# Altium PCB PCB2.PcbDoc (part 1 of 2) (continued)
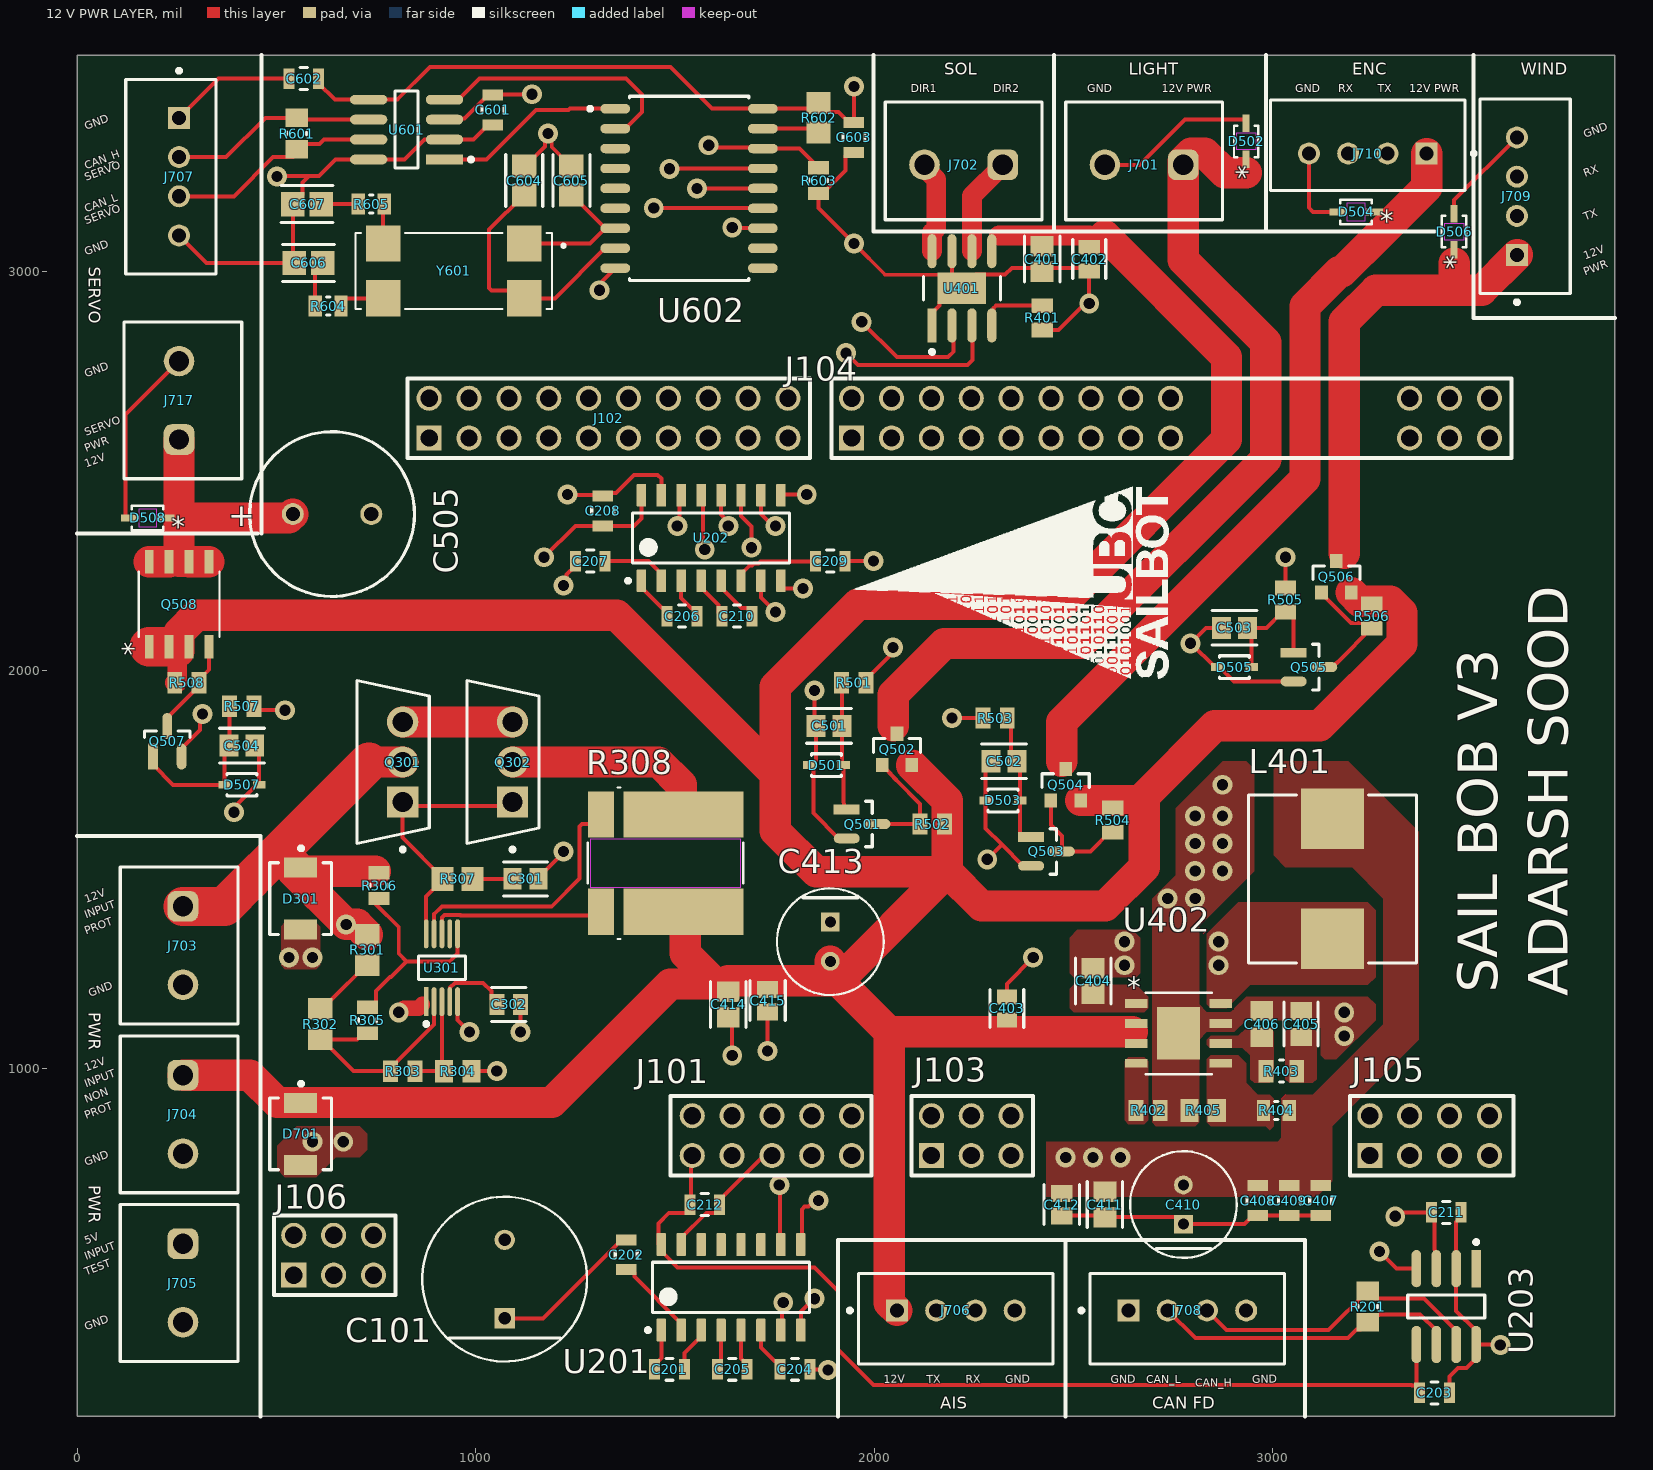
[diagram p0: 12 V PWR LAYER view]
## Classes and differential pairs
net class Power: 12VIN NetC101_2 NetC505_1 NetD301_1 NetD502_1 NetD504_1 NetD506_1 NetJ702_1 NetJ702_2 NetQ301_3 NetQ302_2
component class Switching_Circuits: C501 C502 C503 C504 C505 D501 D502 D503 D504 D505 D506 D507 D508 Q501 Q502 Q503 Q504 Q505 Q506 Q507 Q508 R501 R502 R503 R504 R505 R506 R507 R508
component class SERVO_CAN: C601 C602 C603 C604 C605 C606 C607 R601 R602 R603 R604 R605 U601 U602 Y601
component class Protection_Circuit: C301 C302 D301 Q301 Q302 R301 R302 R303 R304 R305 R306 R307 R308 U301
component class Power_Management: C401 C402 C403 C404 C405 C406 C407 C408 C409 C410 C411 C412 C413 C414 C415 L401 R401 R402 R403 R404 R405 U401 U402
component class Nucleo_connections: C101 J101 J102 J103 J104 J105 J106
component class General_Tranceivers: C201 C202 C203 C204 C205 C206 C207 C208 C209 C210 C211 C212 R201 U201 U202 U203
component class Data_PWR_Connectors: D701 J701 J702 J703 J704 J705 J706 J707 J708 J709 J710 J717

## Components (designator, comment, footprint, x,y, rotation, side; value= is the part's Value field where it differs from the comment)
C101 "10 uF" FP-RAD-TH-D_10_0_5-L_20_2-MFG 1072.84,472.44 r90 top
C201 "0.1uF" FP-GCM21B-0_15-MFG 1486.22,246.06 r0 top
C202 "0.1uF" FP-GCM21B-0_15-MFG 1377.95,533.46 r90 top
C203 "0.1uF" FP-GCM21B-0_15-MFG 3405.51,187.01 r0 top
C204 "0.1uF" FP-GCM21B-0_15-MFG 1801.18,246.06 r0 top
C205 "0.1uF" FP-GCM21B-0_15-MFG 1643.7,246.06 r0 top
C206 "0.1uF" FP-GCM21B-0_15-MFG 1517.72,2135.83 r0 top
C207 "0.1uF" FP-GCM21B-0_15-MFG 1287.4,2273.62 r180 top
C208 "0.1uF" FP-GCM21B-0_15-MFG 1318.9,2399.61 r90 top
C209 "0.1uF" FP-GCM21B-0_15-MFG 1889.76,2273.62 r0 top
C210 "0.1uF" FP-GCM21B-0_15-MFG 1655.51,2135.83 r0 top
C211 "0.1uF" FP-GCM21B-0_15-MFG 3435.04,639.76 r0 top
C212 "0.1uF" FP-GCM21B-0_15-MFG 1574.8,659.45 r0 top
C301 "3.3nF" FP-GRM216-0_1-IPC_B 1125.09,1476.38 r180 top
C302 "0.22uF" FP-C0805C-DN-MFG 1082.68,1161.42 r0 top value="0.22 μF"
C401 "0.1uF" FP-0805-L_2_01_0_2-W_1_25-IPC_B 2421.26,3031.5 r270 top
C402 "47uF" FP-C0805C476M9PACTU-MFG 2539.37,3031.5 r90 top
C403 "10 uF" FP-GRM21B-0_1-IPC_C 2332.68,1151.57 r90 top
C404 "0.1uF" FP-0805-L_2_01_0_2-W_1_25-IPC_B 2549.21,1220.47 r90 top
C405 "3.3 nF" FP-GRM216-0_1-IPC_B 3070.87,1112.2 r90 top
C406 "47 pF" CAPC2013X135X50NL15T20 2972.44,1112.2 r270 top
C407 "22 uF" FP-GRM21B-0_15-MFG 3120.08,669.29 r270 top
C408 "22 uF" FP-GRM21B-0_15-MFG 2962.6,669.29 r270 top
C409 "22 uF" FP-GRM21B-0_15-MFG 3041.34,669.29 r270 top
C410 "100 uF" FP-RAD-TH-D_6_3_0_5-L_11-MFG 2775.59,659.45 r90 top
C411 "0.1uF" FP-0805-L_2_01_0_2-W_1_25-IPC_B 2578.74,659.45 r90 top
C412 "1 nF" FP-0805-L_2_01_0_2-W_1_25-IPC_C 2470.47,659.45 r90 top
C413 "100 uF" FP-RAD-TH-D_6_3_0_5-L_11-MFG 1889.76,1318.9 r270 top
C414 "0.1uF" FP-0805-L_2_01_0_2-W_1_25-IPC_B 1633.86,1161.42 r90 top
C415 "1 nF" FP-0805-L_2_01_0_2-W_1_25-IPC_C 1732.28,1171.26 r90 top
C501 "0.47uF" FP-GRM21B-0_15-IPC_B 1886.76,1860.24 r180 top
C502 "0.47uF" FP-GRM21B-0_15-IPC_B 2325.84,1771.65 r180 top
C503 "0.47uF" FP-GRM21B-0_15-IPC_B 2903.54,2106.3 r180 top
C504 "0.47uF" FP-GRM21B-0_15-IPC_B 413.39,1811.02 r0 top
C505 "470 uF" PNSC-CAP-10x20-P2 639.76,2391.73 r0 top
C601 "0.1uF" FP-GCM21B-0_15-MFG 1043.31,3405.51 r270 top
C602 "0.1uF" FP-GCM21B-0_15-MFG 568.9,3484.25 r180 top
C603 "0.1uF" FP-GCM21B-0_15-MFG 1948.82,3336.61 r270 top
C604 "27 pF" FP-0805-L_2_01_0_2-W_1_25-IPC_A 1122.05,3228.35 r90 top
C605 "27 pF" FP-0805-L_2_01_0_2-W_1_25-IPC_A 1240.16,3228.35 r90 top
C606 "27 pF" FP-0805-L_2_01_0_2-W_1_25-IPC_A 580.71,3021.65 r180 top
C607 "27 pF" FP-0805-L_2_01_0_2-W_1_25-IPC_A 577,3169.29 r180 top
D301 "SMBJ15A" FP-SMBJ-MFG 561.02,1427.17 r270 top
D501 "CDSOD323-T05SC" FP-SOD-323-CA-MFG 1879.92,1761.81 r180 top
D502 "CUS10S30,H3FT" USC_TOS 2933.07,3326.77 r90 top
D503 "CDSOD323-T05SC" FP-SOD-323-CA-MFG 2322.83,1673.23 r180 top
D504 "CUS10S30,H3FT" USC_TOS 3208.66,3149.61 r180 top
D505 "CDSOD323-T05SC" FP-SOD-323-CA-MFG 2903.54,2007.87 r180 top
D506 "CUS10S30,H3FT" USC_TOS 3454.72,3100.39 r90 top
D507 "CDSOD323-T05SC" FP-SOD-323-CA-MFG 413.39,1712.6 r0 top
D508 "CUS10S30,H3FT" USC_TOS 177.17,2381.89 r180 top
D701 "SMBJ15A" FP-SMBJ-MFG 561.02,836.61 r270 top
J101 "CN8 CONN HDR 16POS" CN8_8X2_PADS 1243.31,782.28 r90 top locked
J102 "CN7 CONN HDR 20POS" CN7_10X2_PADS 883.46,2582.28 r90 top locked
J103 "CN9_1" 5V_EXT 2143.31,782.28 r90 top locked
J104 "CN10 CONN HDR 34POS" CN10_17X2_PADS 1943.31,2582.28 r90 top locked
J105 "CN9_2" 4x2 3243.31,782.28 r90 top locked
J106 "5V_EXT" 5V_EXT 543.7,482.28 r90 top locked
J701 "691137710002" 691137710002 2677.17,3277.56 r180 top
J702 "691137710002" 691137710002 2224.41,3277.56 r180 top
J703 "691137710002" 691137710002 255.91,1309.06 r270 top
J704 "691137710002" 691137710002 255.91,885.83 r270 top
J705 "691137710002" 691137710002 255.91,462.6 r270 top
J706 "B4B-XH-A(LF)(SN)" FP-B4B-XH-A_LF_SN-MFG 2204.72,373.03 r180 top
J707 "B4B-XH-A(LF)(SN)" FP-B4B-XH-A_LF_SN-MFG 235.24,3238.19 r90 top
J708 "B4B-XH-A(LF)(SN)" FP-B4B-XH-A_LF_SN-MFG 2785.43,373.03 r180 top
J709 "B4B-XH-A(LF)(SN)" FP-B4B-XH-A_LF_SN-MFG 3632.87,3188.98 r270 top
J710 "B4B-XH-A(LF)(SN)" FP-B4B-XH-A_LF_SN-MFG 3238.19,3316.93 r0 top
J717 "691137710002" 691137710002 265.75,2677.17 r90 top
L401 "5.5 uH" WE-HCI_1050 3149.61,1476.38 r180 top
Q301 "STP75NF75" FP-TO-220-POA0015988-MFG 793.01,1769.69 r180 top
Q302 "STP75NF75" FP-TO-220-POA0015988-MFG 1068.6,1769.68 r180 top
Q501 "MMBT3904-7-F" FP-SOT23-IPC_A 1969.42,1614.17 r0 top
Q502 "DMG2301L-7" FP-SOT23-MFG 2057.09,1801.18 r90 top
Q503 "MMBT3904-7-F" FP-SOT23-IPC_A 2432.02,1545.28 r0 top
Q504 "DMG2301L-7" FP-SOT23-MFG 2480.31,1712.6 r90 top
Q505 "MMBT3904-7-F" FP-SOT23-IPC_A 3090.55,2007.87 r0 top
Q506 "DMG2301L-7" FP-SOT23-MFG 3159.45,2234.25 r90 top
Q507 "MMBT3904-7-F" FP-SOT23-IPC_A 226.38,1821.78 r90 top
Q508 "TPC8125" SOP-8_TOS 255.91,2165.35 r90 top
R201 "120" RESC2013X60X35ML10T20 3238.19,403.54 r270 top
R301 "2.2M" RESC2013X70X40ML20T20 728.35,1298.23 r90 top
R302 "2.2M" RESC2013X70X40ML20T20 610.24,1112.2 r90 top
R303 "137k" RESC2013X70X40LL20T20 816.93,994.09 r180 top
R304 "162k" RESC2013X70X40NL20T20 954.72,994.09 r180 top
R305 "0 ohm" RESC2013X50X30LL20T20 728.35,1122.05 r270 top
R306 "0 ohm" RESC2013X50X30LL20T20 757.87,1459.65 r90 top
R307 "22k" RESC2013X60X40ML20T25 954.72,1476.38 r180 top
R308 "WSL36373L600FEA" WSL3637_VIS 1476.38,1515.75 r90 top
R401 "31.6k" RESC2013X70X40LL20T20 2421.26,2883.86 r90 top
R402 "200k" RESC2013X70X40LL20T20 2687.01,895.67 r180 top
R403 "14k" FP-CRCW0805-e3-MFG 3021.65,994.09 r0 top
R404 "115k" RESC2013X50X30LL20T20 3008.86,895.67 r0 top
R405 "22.1k" RESC2013X70X40NL20T20 2824.8,895.67 r0 top
R501 "200k" RESC2013X70X40LL20T20 1948.82,1968.5 r180 top
R502 "200k" RESC2013X70X40LL20T20 2145.67,1614.17 r0 top
R503 "200k" RESC2013X70X40LL20T20 2303.15,1879.92 r0 top
R504 "200k" RESC2013X70X40LL20T20 2598.43,1624.02 r90 top
R505 "200k" RESC2013X70X40LL20T20 3031.5,2176.18 r270 top
R506 "200k" RESC2013X70X40LL20T20 3248.03,2135.83 r90 top
R507 "200k" RESC2013X70X40LL20T20 413.39,1909.45 r180 top
R508 "200k" RESC2013X70X40LL20T20 275.59,1968.5 r180 top
R601 "120" RESC2013X60X35ML10T20 551.18,3346.46 r90 top
R602 "4.7k" RESC2013X60X40ML20T25 1860.24,3385.83 r270 top
R603 "0 ohm" RESC2013X50X30LL20T20 1860.24,3228.35 r90 top
R604 "0 ohm" RESC2013X50X30LL20T20 629.92,2913.39 r0 top
R605 "0 ohm" RESC2013X50X30LL20T20 738.19,3169.29 r0 top
U201 "MAX3232EIDR" D0016A_N 1640.75,451.77 r90 top
U202 "MAX3232EIDR" D0016A_N 1590.75,2331.69 r90 top
U203 "MCP2562FDT-H/SN" FP-C04-057-SN-IPC_A 3435.04,403.54 r270 top
U301 "LTC4368IMS-2#PBF" FP-MS-10-05-08-1661-IPC_A 915.35,1253.55 r90 top
U401 "DRV8871DDAR?Q1" FP-DDA0008E-IPC_B 2219.88,2958.03 r90 top
U402 "AP64350SP-13" SO-8EP_DIO 2763.48,1088.78 r0 top
U601 "MCP2562FDT-H/SN" FP-C04-057-SN-IPC_A 826.77,3356.3 r180 top
U602 "MCP2515-I/SO" FP-C04-051-MFG 1535.43,3208.66 r0 top
Y601 "ECS-160-18-28AX-TR" XTAL_ECS-160-20-28AX-TR 944.88,3001.97 r180 top

## Footprints (in the part's own frame and the unit in brackets; to place one, negate y for a bottom-side part, rotate by r counter-clockwise, add the part's x,y. Pads: shape width x height; smd on the part's side, far side on the other; paste and mask are expansions set on the pad)
4x2 [mm]
  rect 1.6x1.6 hole 1.1: 1(0,0)
  round 1.6 hole 1.1: 2(2.54,0) 3(0,-2.54) 4(2.54,-2.54) 5(0,-5.08) 6(2.54,-5.08) 7(0,-7.62) 8(2.54,-7.62)
  silkscreen extent -1.27,-9.14 3.81,1.27
5V_EXT [mm]
  rect 1.6x1.6 hole 1.1: 1(0,0)
  round 1.6 hole 1.1: 2(2.54,0) 3(0,-2.54) 4(2.54,-2.54) 5(0,-5.08) 6(2.54,-5.08)
  silkscreen extent -1.27,-6.48 3.81,1.27
691137710002 [mm] "Horizontal Cable Entry with Pressure Clamp, pitch 5mm, 02p"
  rrect50% 1.95x1.95 hole 1.3: 1(-2.5,0.25)
  round 1.95 hole 1.3: 2(2.5,0.25)
  silkscreen extent -5,-3.75 5,3.75, body extent -5,-3.75 5,3.75, height 11.6
CAPC2013X135X50NL15T20 [mm] "Chip Capacitor, 2-Leads, Body 2.00x1.25mm, IPC Medium Density"
  rect 1.25x1.45 smd: 1(-0.85,0) 2(0.85,0)
  body extent -1.08,-0.7 1.07,0.7, height 1.35
CN7_10X2_PADS [mm]
  rect 1.6x1.6 hole 1.1: 1(0,0)
  round 1.6 hole 1.1: 2(2.54,0) 3(0,-2.54) 4(2.54,-2.54) 5(0,-5.08) 6(2.54,-5.08) 7(0,-7.62) 8(2.54,-7.62) 9(0,-10.16) 10(2.54,-10.16) 11(0,-12.7) 12(2.54,-12.7) 13(0,-15.24) 14(2.54,-15.24) 15(0,-17.78) 16(2.54,-17.78) 17(0,-20.32) 18(2.54,-20.32) 19(0,-22.86) 20(2.54,-22.86)
  silkscreen extent -1.27,-24.26 3.81,1.4
CN8_8X2_PADS [mm]
  round 1.6 hole 1.1: 7(0,-7.62) 8(2.54,-7.62) 9(0,-10.16) 10(2.54,-10.16) 11(0,-12.7) 12(2.54,-12.7) 13(0,-15.24) 14(2.54,-15.24) 15(0,-17.78) 16(2.54,-17.78)
  silkscreen extent -1.27,-19.05 3.81,-6.22
CN10_17X2_PADS [mm]
  rect 1.6x1.6 hole 1.1: 1(0,0)
  round 1.6 hole 1.1: 2(2.54,0) 3(0,-2.54) 4(2.54,-2.54) 5(0,-5.08) 6(2.54,-5.08) 7(0,-7.62) 8(2.54,-7.62) 9(0,-10.16) 10(2.54,-10.16) 11(0,-12.7) 12(2.54,-12.7) 13(0,-15.24) 14(2.54,-15.24) 15(0,-17.78) 16(2.54,-17.78) 17(0,-20.32) 18(2.54,-20.32) 29(0,-35.56) 30(2.54,-35.56) 31(0,-38.1) 32(2.54,-38.1) 33(0,-40.64) 34(2.54,-40.64)
  silkscreen extent -1.27,-42.04 3.81,1.27
D0016A_N [mm] "SOIC, 16-Leads, Body 10x4mm, Pitch 1.27mm, IPC Medium Density"
  rrect17% 1.45x0.6 smd: 1(-2.725,4.445) 2(-2.725,3.175) 3(-2.725,1.905) 4(-2.725,0.635) 5(-2.725,-0.635) 6(-2.725,-1.905) 7(-2.725,-3.175) 8(-2.725,-4.445) 9(2.725,-4.445) 10(2.725,-3.175) 11(2.725,-1.905) 12(2.725,-0.635) 13(2.725,0.635) 14(2.725,1.905) 15(2.725,3.175) 16(2.725,4.445)
  silkscreen extent -2.85,-5 1.6,5.42, body extent -3,-4.95 3,4.95, height 1.59
FP-0805-L_2_01_0_2-W_1_25-IPC_A [mil]
  rect 59.24x61.27 smd paste+0 mask+0: 1(-35.66,0) 2(35.66,0)
  silkscreen extent -65,-46 65,46, body extent -85,-50 85,50, height 10
FP-0805-L_2_01_0_2-W_1_25-IPC_B [mil]
  rect 51.36x57.33 smd paste+0 mask+0: 1(-31.72,0) 2(31.72,0)
  silkscreen extent -57,-44 57,44, body extent -67,-39 67,39, height 10
FP-0805-L_2_01_0_2-W_1_25-IPC_C [mil]
  rect 43.49x53.39 smd paste+0 mask+0: 1(-27.79,0) 2(27.79,0)
  silkscreen extent -50,-44 50,44, body extent -53,-32 53,32, height 10
FP-B4B-XH-A_LF_SN-MFG [mm]
  rect 1.4x1.4 hole 0.9 paste-2539.97 mask+0: 1(3.75,-0.525)
  round 1.4 hole 0.9 paste-2539.97 mask+0: 2(1.25,-0.525) 3(-1.25,-0.525) 4(-3.75,-0.525)
  silkscreen extent -6.2,-2.87 6.87,2.88, body extent -6.3,-2.98 6.3,2.98, height 0.25
FP-C04-051-MFG [mm]
  rrect100% 1.9x0.6 smd paste+0 mask+0: 1(-4.7,5.08) 2(-4.7,3.81) 3(-4.7,2.54) 4(-4.7,1.27) 5(-4.7,0) 6(-4.7,-1.27) 7(-4.7,-2.54) 8(-4.7,-3.81) 9(-4.7,-5.08) 10(4.7,-5.08) 11(4.7,-3.81) 12(4.7,-2.54) 13(4.7,-1.27) 14(4.7,0) 15(4.7,1.27) 16(4.7,2.54) 17(4.7,3.81) 18(4.7,5.08)
  silkscreen extent -6.42,-5.87 3.8,5.87, body extent -5.75,-6.12 5.75,6.12, height 0.25
FP-C04-057-SN-IPC_A [mil]
  rect 93.59x24.49 smd paste+0 mask+0: 1(-95.18,75)
  rrect100% 93.59x24.49 smd paste+0 mask+0: 2(-95.18,25) 3(-95.18,-25) 4(-95.18,-75) 5(95.18,-75) 6(95.18,-25) 7(95.18,25) 8(95.18,75)
  silkscreen extent -167,-96 29,96, body extent -162,-116 162,116, height 10
FP-C0805C476M9PACTU-MFG [mm]
  rect 0.95x1.35 smd paste+0 mask+0: 1(-0.75,0) 2(0.75,0)
  silkscreen extent -1.25,-1.05 1.25,1.05, body extent -1.4,-0.85 1.4,0.85, height 0.25
FP-C0805C-DN-MFG [mm]
  rect 0.95x1.35 smd paste+0 mask+0: 1(-0.75,0) 2(0.75,0)
  silkscreen extent -1.1,-1.08 1.1,1.07, body extent -1.4,-0.85 1.4,0.85, height 0.25
FP-CRCW0805-e3-MFG [mm]
  rect 0.95x1.45 smd paste+0 mask+0: 1(-0.975,0) 2(0.975,0)
  silkscreen extent -0.12,-0.7 0.13,0.7, body extent -1.55,-0.82 1.55,0.82, height 0.25
FP-DDA0008E-IPC_B [mm]
  rect 2.174x0.582 smd paste+0 mask+0: 1(-2.366,1.905)
  rrect100% 2.174x0.582 smd paste+0 mask+0: 2(-2.366,0.635) 3(-2.366,-0.635) 4(-2.366,-1.905) 5(2.366,-1.905) 6(2.366,-0.635) 7(2.366,0.635) 8(2.366,1.905)
  rect 2.025x3.1 smd paste-1000 mask+0: 9(0,0)
  silkscreen extent -4.17,-2.45 0.75,2.45, body extent -3.7,-2.7 3.7,2.7, height 0.25
FP-GCM21B-0_15-MFG [mm]
  rect 0.7x1.3 smd paste+0 mask+0: 1(-0.95,0) 2(0.95,0)
  silkscreen extent -0.23,-0.7 0.22,0.7, body extent -1.4,-0.8 1.4,0.8, height 0.25
FP-GRM21B-0_1-IPC_C [mil]
  rect 37.71x49.69 smd paste+0 mask+0: 1(-28.63,0) 2(28.63,0)
  silkscreen extent -47,-42 47,42, body extent -51,-31 51,31, height 10
FP-GRM21B-0_15-IPC_B [mil]
  rect 47.47x55.44 smd paste+0 mask+0: 1(-32.53,0) 2(32.53,0)
  silkscreen extent -56,-43 56,43, body extent -66,-38 66,38, height 10
FP-GRM21B-0_15-MFG [mm]
  rect 0.7x1.3 smd paste+0 mask+0: 1(-0.95,0) 2(0.95,0)
  silkscreen extent -0.22,-0.7 0.22,0.7, body extent -1.4,-0.8 1.4,0.8, height 0.25
FP-GRM216-0_1-IPC_B [mil]
  rect 45.58x53.57 smd paste+0 mask+0: 1(-32.57,0) 2(32.57,0)
  silkscreen extent -55,-43 55,43, body extent -65,-37 65,37, height 10
FP-MS-10-05-08-1661-IPC_A [mm]
  rect 1.84x0.312 smd paste+0 mask+0: 1(-2.16,1)
  rrect100% 1.84x0.312 smd paste+0 mask+0: 2(-2.16,0.5) 3(-2.16,0) 4(-2.16,-0.5) 5(-2.16,-1) 6(2.16,-1) 7(2.16,-0.5) 8(2.16,0) 9(2.16,0.5) 10(2.16,1)
  silkscreen extent -3.7,-1.5 0.74,1.5, body extent -3.58,-2 3.58,2, height 0.25
FP-RAD-TH-D_6_3_0_5-L_11-MFG [mm]
  rect 1.2x1.2 hole 0.7 paste-2539.97 mask+0: 1(-1.25,0)
  round 1.2 hole 0.7 paste-2539.97 mask+0: 2(1.25,0)
  silkscreen extent -3.4,-3.4 3.4,3.4, body extent -3.5,-3.5 3.5,3.5, height 0.25
FP-RAD-TH-D_10_0_5-L_20_2-MFG [mm]
  rect 1.3x1.3 hole 0.8 paste-2539.97 mask+0: 1(-2.5,0)
  round 1.3 hole 0.8 paste-2539.97 mask+0: 2(2.5,0)
  silkscreen extent -5.25,-5.25 5.25,5.25, body extent -5.35,-5.35 5.35,5.35, height 0.25
FP-SMBJ-MFG [mm]
  rect 1.27x2.1 smd paste+0 mask+0: 1(-1.98,0) 2(1.98,0)
  silkscreen extent -3.32,-1.97 2.28,1.97, body extent -2.72,-2.07 2.72,2.07, height 0.25
FP-SOD-323-CA-MFG [mm]
  rect 0.8x0.5 smd paste+0 mask+0: 1(-1.1,0) 2(1.1,0)
  silkscreen extent -0.95,-0.73 0.95,0.72, body extent -1.6,-0.82 1.6,0.82, height 0.25
FP-SOT23-IPC_A [mm]
  rect 1.659x0.627 smd paste+0 mask+0: 1(-0.977,0.915)
  rrect100% 1.659x0.627 smd paste+0 mask+0: 2(-0.977,-0.915) 3(0.977,0)
  silkscreen extent 0.23,-1.45 0.65,1.45, body extent -2.31,-1.95 2.31,1.95, height 0.25
FP-SOT23-MFG [mm]
  rect 0.9x0.8 smd paste+0 mask+0: 1(-1,0.95) 2(-1,-0.95) 3(1,0)
  silkscreen extent -0.18,-1.5 0.7,1.5, body extent -1.55,-1.6 1.55,1.6, height 0.25
FP-TO-220-POA0015988-MFG [mm]
  rect 2x2 hole 1.3 paste-2539.97 mask+0: 1(-0.608,2.55)
  round 2 hole 1.3 paste-2539.97 mask+0: 2(-0.608,0) 3(-0.608,-2.55)
  silkscreen extent -2.3,-5.2 2.3,5.7, body extent -2.4,-5.3 2.4,5.3, height 0.25
PNSC-CAP-10x20-P2 [mm] "THD, 2-Leads, Dia 10.5mm, Body Length 22mm, Pin Spacing 5mm"
  round 1.4 hole 0.9: 1(-2.5,0) 2(2.5,0)
  silkscreen extent -5.25,-5.25 5.25,5.25, body extent -5.25,-5.25 5.25,5.25, height 22
RESC2013X50X30LL20T20 [mm] "Chip Resistor, 2-Leads, Body 2.00x1.25mm, IPC High Density"
  rect 0.85x1.35 smd: 1(-0.825,0) 2(0.825,0)
  silkscreen extent -0.1,-0.57 0.1,0.57, body extent -1.1,-0.72 1.1,0.72, height 0.5
RESC2013X60X35ML10T20 [mm] "Chip Resistor, 2-Leads, Body 2.1x1.35mm, IPC Low Density"
  rect 1.2x1.45 smd: 1(-1,0) 2(1,0)
  silkscreen extent -0.1,-0.63 0.1,0.63, body extent -1.05,-0.68 1.05,0.67, height 0.6
RESC2013X60X40ML20T25 [mm] "Chip Resistor, 2-Leads, Body 2.00x1.25mm, IPC Low Density"
  rect 1.4x1.55 smd: 1(-0.95,0) 2(0.95,0)
  body extent -1.1,-0.72 1.1,0.72, height 0.6
RESC2013X70X40LL20T20 [mm] "Chip Resistor, 2-Leads, Body 2.00x1.25mm, IPC High Density"
  rect 0.95x1.35 smd: 1(-0.775,0) 2(0.775,0)
  body extent -1.1,-0.72 1.1,0.72, height 0.7
RESC2013X70X40ML20T20 [mm] "Chip Resistor, 2-Leads, Body 2.00x1.25mm, IPC Low Density"
  rect 1.35x1.55 smd: 1(-0.975,0) 2(0.975,0)
  body extent -1.1,-0.72 1.1,0.72, height 0.7
RESC2013X70X40NL20T20 [mm] "Chip Resistor, 2-Leads, Body 2.00x1.25mm, IPC Medium Density"
  rect 1.15x1.45 smd: 1(-0.875,0) 2(0.875,0)
  body extent -1.1,-0.72 1.1,0.72, height 0.7
SO-8EP_DIO [mil]
  rect 56x22 smd paste+0 mask+0: 1(-106,75) 2(-106,25) 3(-106,-25) 4(-106,-75) 5(106,-75) 6(106,-25) 7(106,25) 8(106,75)
  rect 107x132 smd paste-65.5 mask+0: EPAD(0,0)
  silkscreen extent -83,-102 83,103, body extent -120,-97 120,97, height 64
SOP-8_TOS [mil]
  rect 59x22 smd paste+0 mask+0: 1(-106.5,75) 2(-106.5,25) 3(-106.5,-25) 4(-106.5,-75) 5(106.5,-75) 6(106.5,-25) 7(106.5,25) 8(106.5,75)
  silkscreen extent -82,-102 82,101, body extent -118,-96 118,96, height 66
USC_TOS [mm]
  rect 1.111x0.451 smd paste+0 mask+0: 1(-1.15,0) 2(1.15,0)
  Keep-Out Layer region: -0.544,-0.599 -0.544,0.599 0.544,0.599 0.544,-0.599
  silkscreen extent -1,-0.78 1,0.78, body extent -1.35,-0.65 1.35,0.65, height 1.1
WE-HCI_1050 [mm] "SMT Flat Wire High Current Inductor, body 10.2x10.2mm"
  rect 4x3.85 smd: 1(0,3.825) 2(0,-3.825)
  silkscreen extent -5.35,-5.35 5.35,5.35, body extent -5.1,-5.5 5.1,5.5, height 5
WSL3637_VIS [mil]
  rect 116x300 smd paste+0 mask+0: 1(-122,-45) 4(122,-45)
  rect 116x66 smd paste+0 mask+0: 2(-122,162) 3(122,162)
  12 V PWR LAYER keep-out region: -62,-188 -62,188 62,188 62,-188
  silkscreen extent -190,-195 190,195, body extent -180,-180 180,190, height 25
XTAL_ECS-160-20-28AX-TR [mm]
  rect 2.2x2.3 smd: 1(-4.5,-1.75) 2(4.5,-1.75) 3(4.5,1.75) 4(-4.5,1.75)
  silkscreen extent -7.1,-2.42 6.25,2.42

## Part data
C101: library part CMP-05427-000989-1, "Aluminum Electrolytic Capacitors (Radial Lead Type) 10uF ±20% 350V", Capacitance=10uF, Case/Package=Radial, Max Operating Temperature=85°C, Min Operating Temperature=-25°C, Package Quantity=200, Ripple Current=115mA, Tolerance=20%, Voltage Rating=350V, Construction=RADIAL, Diameter=10mm, Dissipation Factor=0.2%, Height=20mm, Height - Seated (Max)=0.866inch, Lead Diameter=0.6mm, Lead Pitch=5mm, Lead/Base Style=Straight, Length=20mm, Life (Hours)=2000Hour, Mount="Through Hole", Packaging=Bulk, Radiation Hardening=No, REACH SVHC="No SVHC", Ripple Current (AC)=115mA, RoHS Compliant=Yes, Series=M, Termination=Radial, Voltage Rating (DC)=350V
C201 C202 C203 C204 C205 C206 C207 C208 C209 C210 C211 C212 C601 C602 C603: library part CMP-2007-03364-2, "Ceramic Capacitor for Automotive 100nF ±10% 100VDC X7R 0805 Embossed T/R", Capacitance=100nF, Case Code (Imperial)=0805, Case Code (Metric)=2012, Dielectric=X7R, Max Operating Temperature=125°C, Min Operating Temperature=-55°C, Package Quantity=1, Ratings=AEC-Q200, Tolerance=10%, Voltage=100V, Case/Package=0805, Depth=1.25mm, Height=1.25mm, Lead Free="Lead Free", Length=2mm, Mount="Surface Mount", Packaging="Tape and Reel", Radiation Hardening=No, REACH SVHC="No SVHC", Termination=SMD/SMT, Thickness=0.055inch, Voltage Rating=100V, Voltage Rating (DC)=100V, Width=0.049inch
C301: library part CMP-2007-00889-2, "Chip Multilayer Ceramic Capacitors for General Purpose, 0805, 3300pF, C0G, 30ppm/°C, 5%, 50V", Case Code (Imperial)=0805, Case Code (Metric)=2012, Dielectric=C0G, Dielectric Material=Ceramic, Insulation Resistance=10GR, Max Operating Temperature=125°C, Min Operating Temperature=-55°C, Package Quantity=1, Temperature Coefficient=30ppm/°C, Tolerance=5%, Voltage=50V, Capacitance=3.3nF, Case/Package=0805, Construction=Flat, Depth=1.25mm, Height=0.6mm, Lead Free="Lead Free", Length=2mm, Material=Ceramic, Mount="Surface Mount", Number of Pins=2, Packaging="Tape and Reel", REACH SVHC="No SVHC", RoHS Compliant=Yes, Series=GRM, Size=0.6mm, Termination=SMD/SMT, Thickness=0.028inch, Voltage Rating=50V, Voltage Rating (DC)=50V, Width=0.049inch
C302: library part CMP-1036-04552-2, "CAP CER 0.22UF 50V X7R 0805", Capacitance="0.22 μF", Manufacturer=KEMET, Manufacturer Part Number=C0805C224K5RACTU, Package=C0805C-DN, Temperature="-55°C to +125°C", Temperature Characteristic=X7R, Temperature Coefficient=30ppm/°C, Temperature Range High=+125°C, Temperature Range Low=-55°C, Tolerance=0.1, Voltage Rating="50 V", Automotive=No, Category=Cap, ComponentLink2Description=Datasheet, ComponentLink2URL=https://content.kemet.com/datasheets/KEM_C1003_C0G_SMD.pdf, Device Class L1="Passive Components", Device Class L2=Capacitors, Device Class L3="Ceramic Capacitors", Digikey Description="CAP CER 0.22UF 50V X7R 0805", Height=0.88mm, Ipc Land Pattern Name=CAPC200125X78, Lead Free=Yes, Material=Ceramic, Mouser Description="CAP CER 0.22UF 50V X7R 0805", Octopart=https://octopart.com/c0805c224k5ractu-kemet-144670, RoHS=TRUE
C401 C404 C411 C414: library part CMP-2007-04172-2, "Automotive Ceramic Capacitor, 0805, 100nF, 10%, X7R, 15%, 100V", Capacitance=100nF, Case Code (Imperial)=0805, Case Code (Metric)=2012, Dielectric=X7R, Dielectric Material=Ceramic, Max Operating Temperature=125°C, Min Operating Temperature=-55°C, Package Quantity=1, Ratings=AEC-Q200, Tolerance=10%, Voltage=100V, Case/Package=0805, Construction=Flat, Depth=1.25mm, Height=1.4mm, Lead Free="Lead Free", Length=2.01mm, Mount="Surface Mount", Number of Pins=2, Packaging="Tape and Reel", Radiation Hardening=No, REACH SVHC="No SVHC", RoHS Compliant=Yes, Series=-, Termination=SMD/SMT, Thickness=0.055inch, Voltage Rating=100V, Voltage Rating (DC)=100V, Width=0.049inch
C402: library part CMP-2007-01008-2, "CAP CER 47UF 6.3V X5R 0805", Case Code (Imperial)=0805, Case Code (Metric)=2012, Dielectric=X5R, Dielectric Material=Ceramic, Max Operating Temperature=85°C, Min Operating Temperature=-55°C, Package Quantity=3000, Tolerance=20%, Voltage=6.3V, Capacitance=47uF, Case/Package=0805, Construction=Flat, Depth=1.25mm, Dissipation Factor=5%, Height=1.25mm, Length=2mm, Mount=PCB, Number of Pins=2, Packaging="Tape and Reel", Radiation Hardening=No, REACH SVHC="No SVHC", RoHS Compliant=Yes, Series=C0805C, Termination=SMD/SMT, Voltage Rating=6.3V, Voltage Rating (DC)=6.3V, Width=1.2mm
C403: library part CMP-2007-03453-2, "Chip Multilayer Ceramic Capacitors for General Purpose, 0805, 10uF, X5R, 15%, 10%, 16V", Capacitance=10uF, Case Code (Imperial)=0805, Case Code (Metric)=2012, Dielectric=X5R, Max Operating Temperature=85°C, Min Operating Temperature=-55°C, Package Quantity=1, Tolerance=10%, Voltage=16V, Case/Package=0805, Depth=1.25mm, Height=1.25mm, Lead Free="Lead Free", Length=2mm, Material=Ceramic, Mount="Surface Mount", Packaging="Tape and Reel", Radiation Hardening=No, REACH SVHC="No SVHC", Termination=SMD/SMT, Thickness=0.053inch, Voltage Rating=16V, Voltage Rating (DC)=16V, Width=1.25mm
C405: library part CMP-2007-00889-2, "Chip Multilayer Ceramic Capacitors for General Purpose, 0805, 3300pF, C0G, 30ppm/°C, 5%, 50V", Capacitance=3.3nF, Case Code (Imperial)=0805, Case Code (Metric)=2012, Dielectric=C0G, Dielectric Material=Ceramic, Insulation Resistance=10GR, Max Operating Temperature=125°C, Min Operating Temperature=-55°C, Package Quantity=1, Temperature Coefficient=30ppm/°C, Tolerance=5%, Voltage=50V, Case/Package=0805, Construction=Flat, Depth=1.25mm, Height=0.6mm, Lead Free="Lead Free", Length=2mm, Material=Ceramic, Mount="Surface Mount", Number of Pins=2, Packaging="Tape and Reel", REACH SVHC="No SVHC", RoHS Compliant=Yes, Series=GRM, Size=0.6mm, Termination=SMD/SMT, Thickness=0.028inch, Voltage Rating=50V, Voltage Rating (DC)=50V, Width=0.049inch
C406: library part CMP-1036-01617-2, Manufacturer=Vitramon, Part Number=VJ0805A470JXACW1BC
C407 C408 C409: library part CMP-2007-03385-2, "Chip Multilayer Ceramic Capacitors for General Purpose, 0805, 22uF, X5R, 15%, 20%, 6.3V", Capacitance=22uF, Case Code (Imperial)=0805, Case Code (Metric)=2012, Dielectric=X5R, Max Operating Temperature=85°C, Min Operating Temperature=-55°C, Package Quantity=1, Tolerance=20%, Voltage=6.3V, Case/Package=0805, Depth=1.25mm, Height=1.25mm, Lead Free="Lead Free", Length=2mm, Material=Ceramic, Mount="Surface Mount", Packaging="Tape and Reel", Radiation Hardening=No, REACH SVHC="No SVHC", Termination=SMD/SMT, Thickness=0.053inch, Voltage Rating=6.3V, Voltage Rating (DC)=6.3V, Width=0.049inch
C410 C413: library part CMP-05427-000897-1, "Aluminum Electrolytic Capacitors (Radial Lead Type) 100uF ±20% 25V", Capacitance=100uF, Case/Package=Radial, ESR (Equivalent Series Resistance)=130mR, Max Operating Temperature=105°C, Min Operating Temperature=-40°C, Package Quantity=2000, Ripple Current=455mA, Tolerance=20%, Voltage Rating=25V, Diameter=6.3mm, Features="General Purpose", Height=11.2mm, Height - Seated (Max)=0.441inch, Impedance=130mR, Lead Diameter=0.5mm, Lead Free="Lead Free", Lead Pitch=5mm, Length=11.2mm, Life (Hours)=2000Hour, Mount="Through Hole", Packaging="Tape and Reel", Polarity=Polar, Radiation Hardening=No, RoHS Compliant=Yes, Series=FR, Termination=Radial, Voltage Rating (DC)=25V
C412 C415: library part CMP-1036-02979-3, "General Purpose Ceramic Capacitor, 0805, 1nF, 10%, X7R, 0.15, 50V", Capacitance=1nF, Case Code (Imperial)=0805, Case Code (Metric)=2012, Dielectric=X7R, Dielectric Material=Ceramic, Insulation Resistance=100GR, Max Operating Temperature=125°C, Min Operating Temperature=-55°C, Package Quantity=1, Tolerance=10%, Voltage=50V, Case/Package=0805, Contact Plating=Tin, Depth=1.25mm, Dissipation Factor=2.5%, Height=0.94mm, Lead Free="Lead Free", Length=2.01mm, Mount="Surface Mount", Number of Pins=2, Packaging="Tape and Reel", Radiation Hardening=No, REACH SVHC="No SVHC", RoHS Compliant=Yes, Termination=SMD/SMT, Thickness=0.037inch, Voltage Rating=50V, Voltage Rating (DC)=50V, Width=1.25mm
C501 C502 C503 C504: library part CMP-2007-03605-2, "Chip Multilayer Ceramic Capacitors for General Purpose, 0805, 0.47uF, X7R, 15%, 10%, 100V", Capacitance=470nF, Case Code (Imperial)=0805, Case Code (Metric)=2012, Dielectric=X7R, Max Operating Temperature=125°C, Min Operating Temperature=-55°C, Package Quantity=1, Tolerance=10%, Voltage=100V, Case/Package=0805, Depth=1.25mm, Height=1.25mm, Lead Free="Lead Free", Length=2mm, Material=Ceramic, Mount="Surface Mount", Packaging="Tape and Reel", Radiation Hardening=No, REACH SVHC="No SVHC", Termination=SMD/SMT, Thickness=0.053inch, Voltage Rating=100V, Voltage Rating (DC)=100V, Width=1.25mm
C505: library part CMP-2000-05308-1, "Aluminum Electrolytic Capacitor, 470 uF, +/- 20%, 50 V, -55 to 105 degC, 2-Pin THD, RoHS, Bulk", Capacitance=470µF, Case Size/Dimension=Ø10x20mm, Lifetime@Temperature=2000Hrs@105degC, Manufacturer=Panasonic, Operating Temp Range=-55to+105degC, Operating Temp-Max=105degC, Package Description="2-Pin Through Hole Device, Dia 10 mm, Body Length 20 mm, Pin Spacing 5 mm", Package Reference=CAP-10x20-P2, Package Version=Nov-12, Rated Voltage=50V, Ripple Current=530mA, Datasheet URL=http://www.alliedelec.com/images/products/datasheets/bm/Panasonic/70067776.pdf, Datasheet Version=Nov-12, Manufacturer URL=http://www.panasonic.com/, Package URL=http://www.alliedelec.com/images/products/datasheets/bm/Panasonic/70067776.pdf, Series=NHG, Type=Radial
C604 C605 C606 C607: library part CMP-2007-04540-2, "General Purpose Ceramic Capacitor, 0805, 27pF, 5%, C0G, 30ppm/°C, 100V", Capacitance=27pF, Case Code (Imperial)=0805, Case Code (Metric)=2012, Dielectric=C0G, Dielectric Material=Ceramic, Insulation Resistance=100GR, Max Operating Temperature=125°C, Min Operating Temperature=-55°C, Package Quantity=4000, Temperature Coefficient=30ppm/°C, Tolerance=5%, Voltage=100V, Case/Package=0805, Contact Plating=Tin, Depth=1.25mm, Dissipation Factor=2.5%, Height=0.93mm, Lead Free="Lead Free", Length=2.01mm, Mount="Surface Mount", Number of Pins=2, Packaging="Tape and Reel", Radiation Hardening=No, REACH SVHC="No SVHC", RoHS Compliant=Yes, Termination=SMD/SMT, Thickness=0.037inch, Voltage Rating=100V, Voltage Rating (DC)=100V, Width=0.049inch
D301 D701: library part CMP-07401-000033-1, "TVS DIODE 15VWM 24.4VC SMB", Breakdown Voltage=19.2V, Case/Package=DO-214AA, Clamping Voltage=24.4V, Leakage Current=5uA, Max Operating Temperature=150°C, Max Power Dissipation=600W, Max Surge Current=100A, Min Breakdown Voltage=16.7V, Min Operating Temperature=-55°C, Operating Supply Voltage=3.5V, Package Quantity=1, Peak Pulse Current=24A, Power Line Protection=No, Resistor Type=Zener, Reverse Standoff Voltage=15V, Test Current=1mA, Diode Type=ZENER, Direction=Unidirectional, Element Configuration=Single, ESD Protection=Yes, Height=2.42mm, Length=4.57mm, Max Breakdown Voltage=19.2V, Max Reverse Leakage Current=5uA, Mount="Surface Mount", Number Of Channels=1, Number of Elements=1, Number of Pins=2, Number of Unidirectional Channels=1, Packaging="Tape and Reel", Peak Pulse Power=600W, Polarity=Unidirectional, Radiation Hardening=No, REACH SVHC="No SVHC", Reverse Breakdown Voltage=16.7V, RoHS Compliant=Yes, Series=SMBJ, Termination=SMD/SMT, Width=3.94mm
D501 D503 D505 D507: library part CMP-07401-000040-1, "TVS DIODE 5VWM 14.5VC SOD323", Breakdown Voltage=6V, Capacitance=350pF, Clamping Voltage=13.5V, Leakage Current=10uA, Max Operating Temperature=150°C, Max Power Dissipation=400W, Max Surge Current=28A, Min Operating Temperature=-55°C, Operating Supply Voltage=5V, Package Quantity=3000, Peak Pulse Power=500W, Power Line Protection=No, Resistor Type=Zener, Test Current=1mA, Contact Plating=Tin, Depth=1.45mm, Diode Type=ZENER, Direction=Bidirectional, Element Configuration=Single, Length=1.9mm, Max Breakdown Voltage=6V, Min Breakdown Voltage=6V, Mount="Surface Mount", Number of Bidirectional Channels=1, Number Of Channels=1, Number of Elements=1, Number of Pins=2, Packaging="Tape and Reel", Peak Pulse Current=28A, Polarity=Bidirectional, Radiation Hardening=No, REACH SVHC="No SVHC", Reverse Breakdown Voltage=6V, Reverse Standoff Voltage=5V, RoHS Compliant=Yes, Series=CDSOD323, Termination=SMD/SMT, Working Voltage=5V
D502 D504 D506 D508 Q508: "No Description Available", Mfr_Name="Toshiba Electronic Devices & Storage Corp."
  Q508: Digi-Key_Part_Number_1=TPC8125LQ(S-ND, RefDes=RefDes, Type=Type
J101: "CN8 CONN HDR 16POS 0.1 STACK"
J102: "CN7 CONN HDR 20 POS  0.1 STACK"
J103: library part 5V_EXT
J104: "CN10 CONN HDR 34 POS  0.1 STACK"
J105: library part 4x2
J701 J702 J703 J704 J705 J717: library part CMP-1502-03324-2, Current Rating=16A, Max Operating Temperature=120°C, Min Operating Temperature=-30°C, Voltage Rating=300V, Contact Material="Nickel, Tin", Height=11.6mm, Lead Pitch=5mm, NexarPartId=78871135, Number of Contacts=2, Number of Pins=2, Number of Rows=1, Packaging=Box, RoHS=Non-Compliant
J706 J707 J708 J709 J710: library part CMP-17439-000250-1, "CONN HEADER VERT 4POS 2.5MM", Color=Natural, Contact Resistance=20mR, Current Rating=3A, Flammability Rating="UL94 V-0", Housing Color=White, Insulation Resistance=1GR, Max Operating Temperature=85°C, Max Voltage Rating (AC)=250V, Min Operating Temperature=-25°C, Package Quantity=500, Connector Type=Header, Contact Finish - Mating=TIN, Contact Material=Brass, Contact Plating=Tin, Contact Shape=Square, Contact Type="Male Pin", Depth=5.75mm, Fastening Type=Detent, Gender=Male, Housing Material=Polyamide, Insulation Color=Natural, Insulation Material=Nylon, Lead Free="Lead Free", Lead Pitch=2.5mm, Length=12.4mm, Mated Stacking Heights=9.8mm, Material=Polyamide, Max Current Rating=3A, Max Voltage Rating (DC)=250V, Mount="Through Hole", Number of Contacts=4, Number of Positions=4, Number of Rows=1, Orientation=Straight, Packaging=Bulk, Pitch=2.5mm, REACH SVHC="No SVHC", Series=XH, Termination=Solder, Voltage Rating=250V, Voltage Rating (AC)=250V, Wire/Cable Gauge=22AWG
L401: library part CMP-0226-00138-2, Ambient Temperature Range High=100°C, Ambient Temperature Range Low=-40°C, Case/Package=1050, Current Rating=10A, DC Resistance (DCR)=10.3mΩ, Inductance=5.5µH, Inductance Tolerance=20%, Max Operating Temperature=150°C, Saturation Current=12A, Self Resonant Frequency=30MHz, Series Resistance=10.3Ω, Test Frequency=100kHz, Composition=Wirewound, Depth=10.2mm, Height=4.7mm, Height - Seated (Max)=5.0038mm, Lead Free="Lead Free", Length=10.5mm, Max DC Current=10A, Min Operating Temperature=-40°C, Mount="Surface Mount", NexarPartId=7866439, Number of Pins=2, Packaging="Cut Tape (CT)", REACH SVHC=Unknown, Resistance=10.3mΩ, RMS Current (Irms)=10A, RoHS=Compliant, Shielding=Shielded, Termination=SMD/SMT, Tolerance=20%, Width=10.2mm
Q301 Q302: library part CMP-12198-000040-1, "MOSFET N-CH 75V 80A TO220AB", Case/Package=TO-220, Continuous Drain Current (ID)=80A, Drain To Source Breakdown Voltage=75V, Drain to Source Resistance=9.5mR, Drain-source On Resistance-Max=11mR, Gate to Source Voltage (Vgs)=20V, Input Capacitance=3.7nF, Max Operating Temperature=175°C, Max Power Dissipation=300W, Min Operating Temperature=-55°C, Package Quantity=50, Threshold Voltage=3V, Current Rating=80A, Drain to Source Voltage (Vdss)=75V, Element Configuration=Single, Fall Time=30ns, Height=9.15mm, Lead Free="Lead Free", Length=10.4mm, Mount="Through Hole", Number of Elements=1, Number of Pins=3, On-State Resistance=11mR, Packaging=Rail/Tube, Polarity=N-CHANNEL, Power Dissipation=300W, Radiation Hardening=No, Rds On Max=11mR, REACH SVHC="No SVHC", Rise Time=100ns, RoHS Compliant=Yes, Series=STripFET™, Turn-Off Delay Time=66ns, Turn-On Delay Time=25ns, Voltage Rating (DC)=75V, Weight=0.02lb, Width=4.6mm
Q501 Q503 Q505 Q507: library part CMP-2000-04931-2, "TRANS NPN 40V 0.2A SMD SOT23-3", Case/Package=SOT-23, Collector Base Voltage (VCBO)=60V, Collector Emitter Breakdown Voltage=40V, Collector Emitter Saturation Voltage=300mV, Continuous Collector Current=200mA, Emitter Base Voltage (VEBO)=6V, Frequency=300MHz, Max Operating Temperature=150°C, Max Power Dissipation=300mW, Min Operating Temperature=-55°C, Package Quantity=3000, Power Dissipation=350mW, Collector Emitter Voltage (VCEO)=40V, Contact Plating=Tin, Element Configuration=Single, Gain Bandwidth Product=300MHz, Height=1mm, hFE Min=100, Lead Free="Lead Free", Length=3.05mm, Max Breakdown Voltage=40V, Max Collector Current=200mA, Max Frequency=300MHz, Mount="Surface Mount", Number of Elements=1, Number of Pins=3, Packaging="Tape and Reel", Polarity=NPN, Radiation Hardening=No, REACH SVHC="No SVHC", Transition Frequency=300MHz, Voltage Rating (DC)=40V, Weight=0.000282oz, Width=1.4mm
Q502 Q504 Q506: library part CMP-12801-000065-1, "MOSFET P-CH 20V 3A SOT23", Continuous Drain Current=-3A, Drain To Source Breakdown Voltage=-20V, Drain to Source Resistance=120mΩ, Gate To Source Voltage=8V, Input Capacitace At Vds="476pF @ -10V", Manufacturer="Diodes Inc.", Max Forward Diode Voltage=-1.2V, Max Junction Temp=+150°C, Package=SOT23, Power Dissipation=1.5W, Pulse Drain Current=-10A, Temperature="-55°C to +150°C", Temperature Range Low=-55°C, Automotive=No, Category=Trans, ComponentLink2Description=Datasheet, ComponentLink2URL=https://www.diodes.com/assets/Datasheets/DMG2301L.pdf, Depletion Mode=False, Device Class L1="Discrete Semiconductors", Device Class L2=Transistors, Device Class L3=MOSFETs, Digikey Description="MOSFET P-CH 20V 3A SOT23", Drain To Source Voltage=-20V, Footprint Url=https://www.diodes.com/assets/Package-Files/SOT23.pdf, Gate Charge At Vgs="5.5nC @ -4.5V", Height=1.1mm, Lead Free=Yes, Manufacturer Part Number=DMG2301L-7, Mouser Description="Single P-Channel 20 V 1.5 W 5.5 nC Silicon Surface Mount Mosfet - SOT-23", Number Of Channels=1, Number Of P Channels=1, Octopart=https://octopart.com/dmg2301l-7-diodes+inc.-67250456, RoHS=TRUE, Rthja Max=83°C/W, Standoff Height=0.013mm, Temperature Range High=+150°C, Threshold Vgs Max=-1.2V, Threshold Vgs Min=-0.4V, Turn Off Delay Time=30ns, Turn On Delay Time=5ns
R201 R601: library part CMP-2100-03671-1, "Chip Resistor, 1 KOhm, +/- 1%, 125 mW, -55 to 155 degC, 0805 (2012 Metric), RoHS, Tape and Reel", Case Code (Imperial)=0805, Case Code (Metric)=2012, Manufacturer=Yageo, Max Operating Temperature=155degC, Max Power Dissipation=125mW, Min Operating Temperature=-55degC, Package Description="2-Pin Surface Mounted Device, Body 2 x 1.25 mm", Package Quantity=1, Resistance=1KOhm, Temperature Coefficient=100ppm/degreesC, Tolerance=1%, Voltage Rating=150V, Case/Package=0805, Composition=ThickFilm, Datasheet URL=http://www.yageo.com/NewPortal/yageodocoutput?fileName=/pdf/R-Chip/PYu-RC_Group_51_RoHS_L_5.pdf, Datasheet Version="Rev. 5, 10/2016", Depth=1.25mm, Height=0.024inch, Lead Free=LeadFree, Length=0.079inch, Manufacturer URL=http://www.yageo.com/, Military Standard=Not, Number of Pins=2, Number of Terminations=2, Package Reference=0805, Packaging=TapeandReel, Power Rating=125mW, REACH SVHC=Unknown, RoHSCompliant=true, Termination=SMD/SMT, Voltage Rating (DC)=150V, Width=0.049inch
R301 R302: library part CMP-2001-00379-1, Manufacturer=Panasonic, Part Number=ERJ-6GEYJ225V
R303: library part CMP-1013-00750-2, Manufacturer=Panasonic, Part Number=ERJ-6ENF1373V
R304: library part CMP-2001-04455-1, Manufacturer=Panasonic, Part Number=ERJ-6ENF1623V
R305 R306 R603 R604 R605: library part CMP-2001-04896-1, Manufacturer="Vishay Dale", Part Number=CRCW08050000Z0EA
R307: library part CMP-2001-00614-1, Manufacturer=Panasonic, Part Number=ERA6AEB223V
R308: "Power Field-Effect Transistor, 80A I(D), 75V, 0.011ohm, 1-Element, N-Channel, Silicon, Metal-oxide Semiconductor FET, TO-220AB", Avalanche Energy Rating (Eas)=700mJ, Case Connection=DRAIN, Drain Current-Max (Abs) (ID)=75A, Drain Current-Max (ID)=80A, Drain-source On Resistance-Max=11mR, DS Breakdown Voltage-Min=75V, Manufacturer=STMicroelectronics, Manufacturer Part Number=STP75NF75, Max Operating Temperature=175°C, Mfr_Name=Vishay, Operating Mode="ENHANCEMENT MODE", Package Body Material=Plastic, Package Shape=Rectangular, Package Style="FLANGE MOUNTMeter", Power Dissipation-Max (Abs)=300W, Pulsed Drain Current-Max (IDM)=320A, Category=MOSFETs, ComponentLink1Description=https://datasheet.ciiva.com:443/pdfs/VipMasterIC/IC/SGST/SGSTS28063/SGSTS28063-1.pdf?src-supplier=IHS+Markit, ComponentLink1URL=https://datasheet.ciiva.com:443/pdfs/VipMasterIC/IC/SGST/SGSTS28063/SGSTS28063-1.pdf?src-supplier=IHS+Markit, ComponentLink2Description=https://datasheet.ciiva.com/15137/getdatasheetpartid-65453-15137299.pdf?src-supplier=Verical, ComponentLink2URL=https://datasheet.ciiva.com/15137/getdatasheetpartid-65453-15137299.pdf?src-supplier=Verical, ComponentLink3Description=https://datasheet.ciiva.com/14170/qnstm-fet-stp75-en-14170267.pdf?src-supplier=Distrelec, ComponentLink3URL=https://datasheet.ciiva.com/14170/qnstm-fet-stp75-en-14170267.pdf?src-supplier=Distrelec, ComponentLink4Description=https://datasheet.ciiva.com/6380/cd00002771-6380175.pdf?src-supplier=Digikey, ComponentLink4URL=https://datasheet.ciiva.com/6380/cd00002771-6380175.pdf?src-supplier=Digikey, ComponentLink5Description=https://datasheet.ciiva.com/16372/cd00002771-16372746.pdf?src-supplier=Future+Electronics, ComponentLink5URL=https://datasheet.ciiva.com/16372/cd00002771-16372746.pdf?src-supplier=Future+Electronics, FET Technology="METAL-OXIDE SEMICONDUCTOR", JEDEC-95 Code=TO-220AB, JESD-30 Code=R-PSFM-T3, JESD-609 Code=e3, Number of Elements=1, Pins=3, Polarity/Channel Type=N-CHANNEL, Pricing="1000=0.7152 (USD)", Qualification Status="Not Qualified", Reach SVHC Compliant=No, RefDes=RefDes, RoHS=Yes, RoHS Compliant=Yes, Stock=52850, Supplier="Arrow Electronics", Supplier Part Number=STP75NF75, Surface Mount=No, Terminal Finish=Tin, Terminal Form="Through Hole", Terminal Position=SINGLE, Transistor Application=SWITCHING, Transistor Element Material=SILICON, Type=Type
R401: library part CMP-2001-00125-1, Manufacturer=Panasonic, Part Number=ERJ-6ENF3162V
R402 R501 R502 R503 R504 R505 R506 R507 R508: library part CMP-2001-00028-1, Manufacturer=Panasonic, Part Number=ERJ-6ENF2003V
R403: library part CMP-2001-04956-2, "RES Thick Film, 14kΩ, 1%, 0.125W, 100ppm/°C, 0805", Case Code (Imperial)=0805, Case Code (Metric)=2012, Max Operating Temperature=155°C, Max Power Dissipation=125mW, Min Operating Temperature=-55°C, Package Quantity=10, Resistance=14kR, Temperature Coefficient=100ppm/°C, Tolerance=1%, Voltage Rating=150V, Case/Package=0805, Composition="Thick Film", Contact Plating=Tin, Depth=1.25mm, Features="Automotive AEC-Q200", Height=0.45mm, Lead Free="Lead Free", Length=2mm, Military Standard=Not, Mount="Surface Mount", Number of Pins=2, Number of Terminations=2, Packaging="Tape and Reel", Power Rating=125mW, Radiation Hardening=No, Termination=SMD/SMT, Voltage Rating (DC)=150V, Weight=0.000194oz, Width=1.25mm, Working Voltage=150V
R404: library part CMP-2001-04921-1, Manufacturer="Vishay Dale", Part Number=CRCW0805115KFKEA
R405: library part CMP-2001-00049-1, Manufacturer=Panasonic, Part Number=ERJ-6ENF2212V
R602: library part CMP-2001-00644-1, Manufacturer=Panasonic, Part Number=ERA6AEB472V
U201 U202: library part CMP-0299-00792-2, "3-V to 5.5-V Multichannel RS-232 Line Driver / Receiver with ±15-kV IEC ESD Protection, -40 to 85 degC, 16-Pin SOIC (D), Green (RoHS & no Sb/Br)", Drivers Per Package=2, Supply Voltage(s)(V)="3.3 or 5.0", ComponentLink1Description="Manufacturer URL", ComponentLink1URL=www.ti.com, ComponentLink2Description=Datasheet, ComponentLink2URL=http://www.ti.com/general/docs/lit/getliterature.tsp?genericPartNumber=MAX3232E&fileType=pdf, ComponentLink3Description="Package Specification", ComponentLink3URL=http://www.ti.com/litv/pdf/mpds178g, DatasheetVersion=SLLS664A, ESD HBM(kV)=+/-15, ICC(Max)(mA)=1, IEC-61000-4-2 SUPPORT=TRUE, PackageDescription="16-Pin Plastic Small Outline Integrated Circuit, 9.9 x 3.9 mm, Pitch 1.27 mm Pitch", PackageReference=D0016A, PackageVersion="revM, Jun-2011", Receivers Per Package=2, RS-232=TRUE, Single Supply=TRUE, SubFamily=RS-232
U203 U601: library part CMP-06279-000047-1, "IC TRANSCEIVER 1/1 8SOIC", Case/Package=SOIC, Max Operating Temperature=150°C, Max Supply Voltage=5.5V, Min Operating Temperature=-40°C, Min Supply Voltage=4.5V, Operating Supply Current=70mA, Package Quantity=3300, Data Rate=8Mbps, Mount="Surface Mount", Number of Pins=8, Number of Transceivers=1, Packaging="Tape and Reel", Receiver Hysteresis=200mV, RoHS Compliant=Yes, Series=-, Weight=0.019048oz
U301: library part CMP-09131-000012-1, "IC SURGE SUPPRESSION ADJ 10MSOP"
U401: library part CMP-04915-000036-1, "IC MOTOR DRVR UNIPLR 8SO PWRPAD", Max Operating Temperature=125°C, Min Operating Temperature=-40°C, Output Current=3.6A, Interface=PWM, Lead Free="Lead Free", Logic Function="AND GATE", Mount="Surface Mount", Number of Pins=8, Packaging=Rail/Tube, RoHS Compliant=Yes
U402: "No Description Available", Mfr_Name="Diodes Inc", RefDes=RefDes, Type=Type
U602: library part CMP-0186-00133-3, "IC CAN CONTROLLER W/SPI 18SOIC", Ambient Temperature Range High=+125°C, Ambient Temperature Range Low=-65°C, Manufacturer=Microchip, Max Supply Voltage=5.5V, Min Supply Voltage=2.7V, Nominal Supply Current=10mA, Package=C04-051, Temperature="-40°C to +85°C", Temperature Range High=+85°C, Temperature Range Low=-40°C, Automotive=No, Category=IC, ComponentLink2Description=Datasheet, ComponentLink2URL=http://ww1.microchip.com/downloads/en/DeviceDoc/MCP2515-Stand-Alone-CAN-Controller-with-SPI-20001801J.pdf, Device Class L1="Integrated Circuits (ICs)", Device Class L2="Interface ICs", Device Class L3=Controllers, Digikey Description="IC CAN CONTROLLER W/SPI 18SOIC", Footprint Url=http://ww1.microchip.com/downloads/en/DeviceDoc/18L_SOIC_Wide_7.50_SO_C04-0051D.pdf, Function=Controller, Height=2.65mm, Interface=SPI,CAN, Ipc Land Pattern Name=SOIC127P1030X265-18, Lead Free=Yes, Manufacturer Part Number=MCP2515-I/SO, Mouser Description="CAN Interface IC W/ SPI Interface", Octopart=https://octopart.com/mcp2515-i%2Fso-microchip-430187, RoHS=TRUE, Standoff Height=0.1mm
Y601: library part CMP-003-00030-1, "16MHz Â±30ppm Crystal 20pF 40 Ohms HC-49/US", Case/Package="HC49/US ECS International", Availability=Good, Component Type=Standard, Design Item ID=ECS-160-20-28AX-TR, DigiKey-Purchase-URL=https://snapeda.com/shop?store=DigiKey&id=2459780, MF="ECS Inc.", Mouser-Purchase-URL=https://snapeda.com/shop?store=Mouser&id=2459780, MP=ECS-160-20-28AX-TR, Pins=4, Price=None, SnapEDA_Link=https://www.snapeda.com/parts/ECS-160-20-28AX-TR/ECS%20Inc./view-part/2459780/?ref=snap, Source=ECS-160-20-28AX-TR.SchLib

## Via types
v1: diameter 50, hole 28, 12 V PWR LAYER to GND LAYER 2, 74 vias